# Altium PCB Science_Board_PCB.PcbDoc (part 1 of 2) (continued)
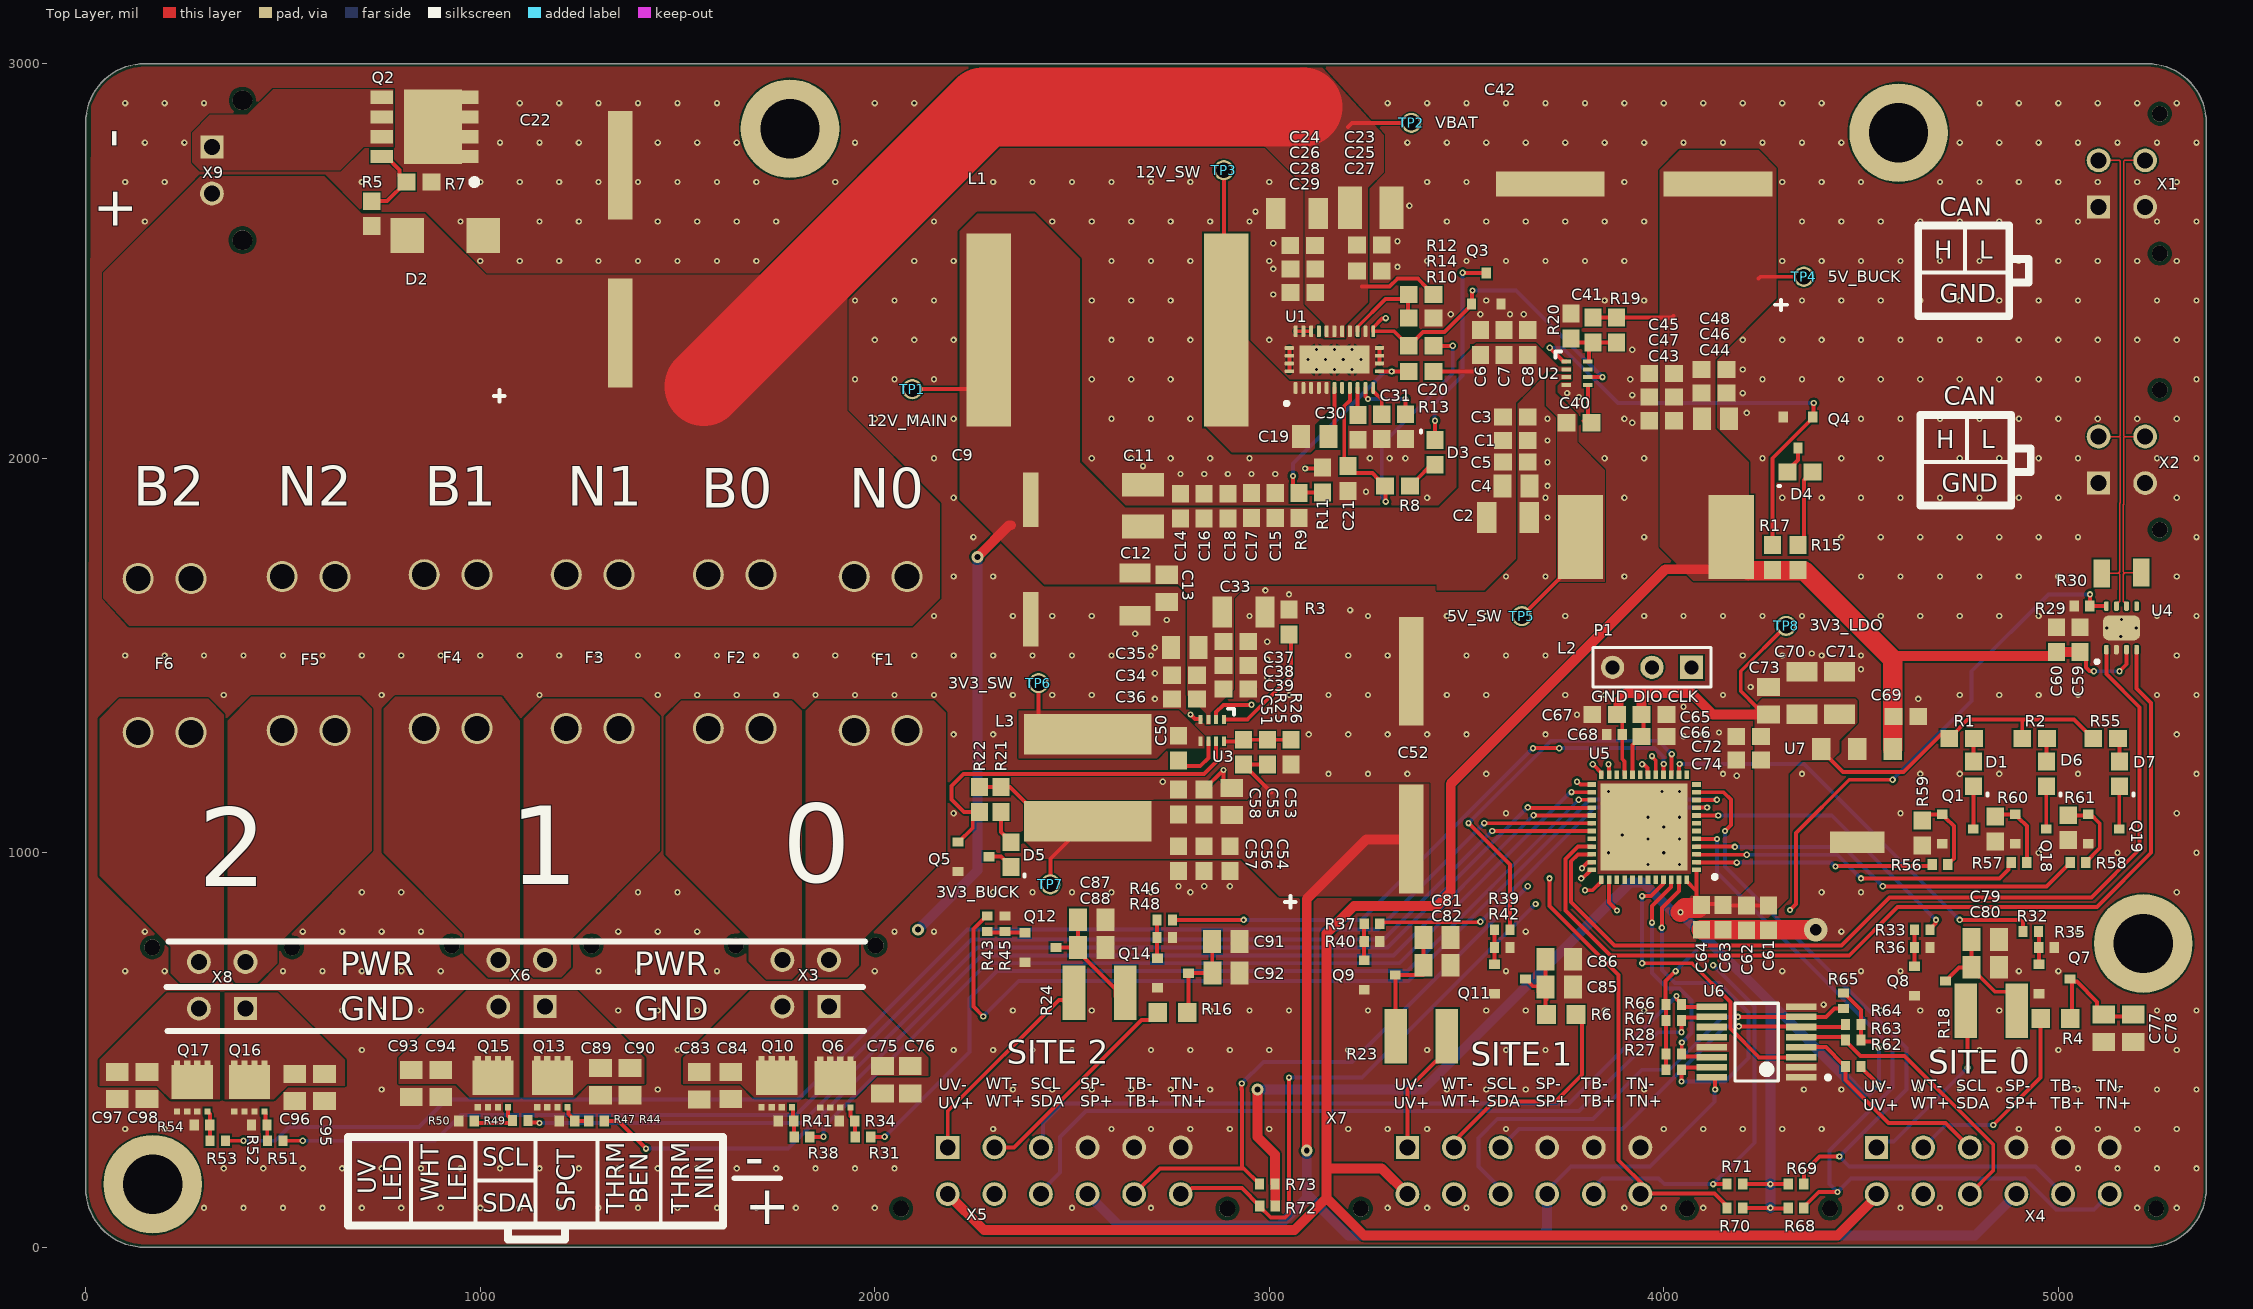
[diagram p0: Top Layer view]
## Components (designator, comment, footprint, x,y, rotation, side; value= is the part's Value field where it differs from the comment)
C1 "C1608C0G2A103J080AC" CAP-0603 3623.5,2045 r0 top
C2 "CL31B106KBHNNNE" CAP-1206 3605,1850 r0 top
C3 "UMK107AB7105KA-T" CAP-0603 3623.5,2105 r0 top
C4 "KAM21KR72A474KL" CAP-0805 3625.35,1930 r180 top
C5 "C1608C0G2A103J080AC" CAP-0603 3623.5,1990 r0 top
C6 "CC0603KRX7R0BB104" CAP-0603 3535,2293.5 r90 top
C7 "C0603Y102K1RAC7867" CAP-0603 3595,2293.5 r90 top
C8 "0603N101J101CT" CAP-0603 3655,2293.5 r270 top
C9 "50TZV220M10X10.5" ELEC-220U-0003 2395,1743.43 r180 top
C11 "C3225X7R1N106K250AC" CAP-1210 2680,1880 r90 top
C12 "CL31B105KCHNNNE" "CAP-1206 - duplicate" 2660,1660 r270 top
C13 "KAM21KR72A474KL" CAP-0805 2740,1670 r270 top
C14 "CC0603KRX7R0BB104" CAP-0603 2775,1878.5 r90 top
C15 "C1608C0G2A103J080AC" CAP-0603 3015,1880 r90 top
C16 "C0603Y102K1RAC7867" CAP-0603 2835,1878.5 r90 top
C17 "0603N101J101CT" CAP-0603 2955,1880 r90 top
C18 "0603N100J500CT" CAP-0603 2895,1878.5 r90 top
C19 "KAM21KR72A474KL" CAP-0805 3115,2055 r0 top
C20 "885012006087" CAP-0603 3385,2220 r180 top
C21 "UMK107BBJ225KA-T" CAP-0603 3200,1948.5 r270 top
C22 "100SEV100M12.5X16" ELEC-100U-0001 1355,2530 r180 top
C23 "C3225X7R1N106K250AC" CAP-1210 3257.2,2635 r0 top
C24 "CL31B105KCHNNNE" "CAP-1206 - duplicate" 3075,2620 r180 top
C25 "CC0603KRX7R0BB104" CAP-0603 3253.5,2540 r0 top
C26 "C1608C0G2A103J080AC" CAP-0603 3084.65,2539.39 r180 top
C27 "C0603Y102K1RAC7867" CAP-0603 3253.5,2475 r0 top
C28 "0603N101J101CT" CAP-0603 3085,2480 r180 top
C29 "0603N100J500CT" CAP-0603 3085,2420 r180 top
C30 "UMK107AB7105KA-T" CAP-0603 3225,2078.5 r270 top
C31 "CC0603KRX7R9BB333" CAP-0603 3285,2080 r270 top
C33 "CL31B106KBHNNNE" CAP-1206 2935,1610 r0 top
C34 "UMK107AB7105KA-T" CAP-0603 2785,1450 r180 top
C35 "KAM21KR72A474KL" CAP-0805 2785.35,1520 r180 top
C36 "C1608C0G2A103J080AC" CAP-0603 2785,1390 r180 top
C37 "CC0603KRX7R0BB104" CAP-0603 2915,1535 r0 top
C38 "C0603Y102K1RAC7867" CAP-0603 2915,1475 r0 top
C39 "0603N101J101CT" CAP-0603 2915,1415 r0 top
C40 "CC0603KRX7R0BB104" CAP-0603 3785,2090 r180 top
C41 "7447798111" CAP-0603 3820,2325 r270 top
C42 "100SEV100M12.5X16" ELEC-100U-0001 3925,2695 r270 top
C43 "7447798111" CAP-0603 3994.45,2095 r180 top
C44 "KAM21KR72A474KL" CAP-0805 4130.94,2100 r0 top
C45 "C0603Y102K1RAC7867" CAP-0603 3994.45,2215 r180 top
C46 "C1608C0G2A103J080AC" CAP-0603 4127.44,2165 r0 top
C47 "CC0603KRX7R0BB104" CAP-0603 3994.45,2155 r180 top
C48 "0603N101J101CT" CAP-0603 4127.44,2225 r0 top
C50 "CC0603KRX7R0BB104" CAP-0603 2770,1265 r90 top
C51 "7447798111" CAP-0603 2935,1255 r90 top
C52 "100SEV100M12.5X16" ELEC-100U-0001 3360,1247.6 r180 top
C53 "KAM21KR72A474KL" CAP-0805 2905,1130 r90 top
C54 "C0603Y102K1RAC7867" CAP-0603 2900,985 r270 top
C55 "C1608C0G2A103J080AC" CAP-0603 2835,1128.5 r90 top
C56 "CC0603KRX7R0BB104" CAP-0603 2835,985 r270 top
C57 "0603N101J101CT" CAP-0603 2770,985 r270 top
C58 "7447798111" CAP-0603 2770,1128.5 r90 top
C59 "TMK107BBJ475KA-T" CAP-0603 5055,1540 r90 top
C60 "CC0603KRX7R0BB104" CAP-0603 4995,1540 r90 top
C61 "TMK107BBJ475KA-T" CAP-0603 4265,835 r270 top
C62 "CC0603KRX7R0BB104" CAP-0603 4210,835 r270 top
C63 "CC0603KRX7R0BB104" CAP-0603 4150,836.5 r270 top
C64 "CC0603KRX7R0BB104" CAP-0603 4095,836.5 r270 top
C65 "UMK107AB7105KA-T" CAP-0603 3975,1350 r0 top
C66 "CC0603KRX7R0BB104" CAP-0603 3975,1295 r0 top
C67 "UMK107AB7105KA-T" CAP-0603 3850,1350 r180 top
C68 "CC0402KRX7R0BB103" CAP-0402 3875,1300 r180 top
C69 "CGA3E3X7R1H334K080AB" CAP-0603 4613.5,1345 r0 top
C70 "CL31B106KBHNNNE" CAP-1206 4350,1405 r90 top
C71 "CL31B106KBHNNNE" CAP-1206 4445,1405 r90 top
C72 "UMK107AB7105KA-T" CAP-0603 4215,1295 r180 top
C73 "KAM21KR72A474KL" CAP-0805 4265,1385.35 r270 top
C74 "CC0603KRX7R0BB104" CAP-0603 4215,1235 r180 top
C75 "CL21A106KOQNNNE" CAP-0805 2020,424.65 r270 top
C76 "CL21A106KOQNNNE" CAP-0805 2090,425 r270 top
C77 "CL21A106KOQNNNE" CAP-0805 5115,555 r270 top
C78 "CL21A106KOQNNNE" CAP-0805 5190,555 r270 top
C79 "CL21A106KOQNNNE" CAP-0805 4815,780 r0 top
C80 "CL21A106KOQNNNE" CAP-0805 4815,710 r0 top
C81 "CL21A106KOQNNNE" CAP-0805 3425,785 r0 top
C82 "CL21A106KOQNNNE" CAP-0805 3425,715 r0 top
C83 "CL21A106KOQNNNE" CAP-0805 1555,409.65 r270 top
C84 "CL21A106KOQNNNE" CAP-0805 1635,410 r270 top
C85 "CL21A106KOQNNNE" CAP-0805 3735,660 r0 top
C86 "CL21A106KOQNNNE" CAP-0805 3735,730 r0 top
C87 "CL21A106KOQNNNE" CAP-0805 2550,830 r0 top
C88 "CL21A106KOQNNNE" CAP-0805 2550,760 r0 top
C89 "CL21A106KOQNNNE" CAP-0805 1305,420 r270 top
C90 "CL21A106KOQNNNE" CAP-0805 1380,420 r270 top
C91 "CL21A106KOQNNNE" CAP-0805 2890,775 r0 top
C92 "CL21A106KOQNNNE" CAP-0805 2890.35,695 r0 top
C93 "CL21A106KOQNNNE" CAP-0805 825,415 r270 top
C94 "CL21A106KOQNNNE" CAP-0805 900,415 r270 top
C95 "CL21A106KOQNNNE" CAP-0805 605,405 r270 top
C96 "CL21A106KOQNNNE" CAP-0805 530,405 r270 top
C97 "CL21A106KOQNNNE" CAP-0805 80,410 r270 top
C98 "CL21A106KOQNNNE" CAP-0805 155,410 r270 top
D1 "150060AS75000" LED-0603 4785,1200 r270 top
D2 "SMBJE43CAH" "DO-214AA (SMBJ)" 910.12,2565 r0 top
D3 "150060AS75000" LED-0603 3420,2015 r90 top
D4 "150060AS75000" LED-0603 4345,1965 r180 top
D5 "150060AS75000" LED-0603 2345,995 r270 top
D6 "150060AS75000" LED-0603 4970,1200 r270 top
D7 "150060AS75000" LED-0603 5155,1200 r270 top
F1 "3568" FUSE-ATM-0001 2015,1505 r270 top
F2 "3568" FUSE-ATM-0001 1645,1510 r270 top
F3 "3568" FUSE-ATM-0001 1285,1510 r270 top
F4 "3568" FUSE-ATM-0001 925,1510 r270 top
F5 "3568" FUSE-ATM-0001 565,1505 r270 top
F6 "3568" FUSE-ATM-0001 200,1500 r270 top
L1 "IHLP6767GZER8R2M01" PWRIND-8.2U-0002 2590,2325 r180 top
L2 "SRR1240-3R3Y" PWRIND-3.3U-0003 3980,1800 r0 top
L3 "SRN8040-1R0Y" PWRIND-6.8U-0001 2540,1190 r270 top
P1 "Header 3" HDR1X3 4070,1470 r180 top
Q1 "T2N7002AK,LM" NMOS-SOT23-3 4745,1060 r270 top
Q2 "TPH7R006PL,L1Q" NMOS-8PowerVDFN 970,2765 r90 top
Q3 "T2N7002AK,LM" NMOS-SOT23-3 3550,2430 r0 top
Q4 "T2N7002AK,LM" NMOS-SOT23-3 4340,2065 r180 top
Q5 "T2N7002AK,LM" NMOS-SOT23-3 2250,990 r270 top
Q6 "TPN11006PL,LQ" NMOS-8TSON 1900,415 r0 top
Q7 "YJL3404A" NMOS-SOT23-3 4990,680 r270 top
Q8 "YJL3404A" NMOS-SOT23-3 4675,675 r270 top
Q9 "YJL3404A" NMOS-SOT23-3 3280,690 r270 top
Q10 "TPN11006PL,LQ" NMOS-8TSON 1751.61,416.02 r0 top
Q11 "YJL3404A" NMOS-SOT23-3 3610,680 r270 top
Q12 "YJL3404A" NMOS-SOT23-3 2420,760 r270 top
Q13 "TPN11006PL,LQ" NMOS-8TSON 1182.8,416.02 r0 top
Q14 "YJL3404A" NMOS-SOT23-3 2755.63,695 r270 top
Q15 "TPN11006PL,LQ" NMOS-8TSON 1032.2,416.02 r0 top
Q16 "TPN11006PL,LQ" NMOS-8TSON 415,405 r0 top
Q17 "TPN11006PL,LQ" NMOS-8TSON 270,405 r0 top
Q18 "T2N7002AK,LM" NMOS-SOT23-3 4930,1060 r270 top
Q19 "T2N7002AK,LM" NMOS-SOT23-3 5115,1060 r270 top
R1 "AC0603FR-10100RL" RES-0603 4755,1290 r0 top
R2 "AC0603FR-10100RL" RES-0603 4940,1290 r0 top
R3 "RC0603FR-079K09L" RES-0603 3050,1585 r90 top
R4 "ERJ-P06J121V" RES-0805 4992.4,580 r180 top
R5 "ERJ-3EKF2003V" RES-0603 725,2620 r90 top
R6 "ERJ-P06J121V" RES-0805 3740,590 r0 top
R7 "RC0603FR-07100KL" RES-0603 845,2700 r180 top
R8 "AC0603FR-10100RL" RES-0603 3325,1930 r0 top
R9 "RC0603FR-07100KL" RES-0603 3075,1880 r90 top
R10 "RC0603FR-0710KP" RES-0603 3385,2285 r0 top
R11 "RC0603FR-079K09L" RES-0603 3135,1945 r90 top
R12 "RC0603FR-072M15L" RES-0603 3385,2415 r0 top
R13 "RC0603FR-0776K8L" RES-0603 3345,2080 r90 top
R14 "RC0603FR-07100KL" RES-0603 3385,2355 r0 top
R15 "CRGCQ0603J220R" RES-0603 4340,1748.5 r90 top
R16 "ERJ-P06J121V" RES-0805 2755,595 r180 top
R17 "RC0603FR-0710KP" RES-0603 4275,1748.5 r270 top
R18 "CRCW25123R30FKEG" RES-2512 4830,600 r180 top
R19 "RC0603FR-0773K2L" RES-0603 3880,2325 r270 top
R20 "RC0603FR-0710KP" RES-0603 3765,2335 r90 top
R21 "AC0603FR-10100RL" RES-0603 2320,1135 r90 top
R22 "AF0603FR-074K7L" RES-0603 2265,1135 r90 top
R23 "CRCW25123R30FKEG" RES-2512 3385,535 r0 top
R24 "CRCW25123R30FKEG" RES-2512 2569.96,645 r180 top
R25 "RC0603FR-0730K9L" RES-0603 2995,1255 r90 top
R26 "RC0603FR-0710KP" RES-0603 3055,1255 r270 top
R27 "RC0402FR-074K7P" RES-0402 4025.32,450 r180 top
R28 "RC0402FR-074K7P" RES-0402 4025.32,490 r180 top
R29 "RC0402FR-074K7P" RES-0402 5059.69,1625 r0 top
R30 "CRGH1206F120R" RES-1206 5160,1710 r180 top
R31 "ERJ2RKF33R0X" RES-0402 1970,280 r180 top
R32 "ERJ2RKF33R0X" RES-0402 4930,800 r0 top
R33 "ERJ2RKF33R0X" RES-0402 4655,805 r180 top
R34 "ERJ2GEJ103X" RES-0402 1930,320 r180 top
R35 "ERJ2GEJ103X" RES-0402 4970,760 r0 top
R36 "ERJ2GEJ103X" RES-0402 4655,760 r0 top
R37 "ERJ2RKF33R0X" RES-0402 3260,820 r180 top
R38 "ERJ2RKF33R0X" RES-0402 1815.32,280 r180 top
R39 "ERJ2RKF33R0X" RES-0402 3590.32,805 r180 top
R40 "ERJ2GEJ103X" RES-0402 3260,775 r0 top
R41 "ERJ2GEJ103X" RES-0402 1775,320 r180 top
R42 "ERJ2GEJ103X" RES-0402 3590.32,760 r0 top
R43 "ERJ2RKF33R0X" RES-0402 2285,820 r270 top
R44 "ERJ2RKF33R0X" RES-0402 1295,320 r180 top
R45 "ERJ2GEJ103X" RES-0402 2330,820 r90 top
R46 "ERJ2RKF33R0X" RES-0402 2735,830 r180 top
R47 "ERJ2GEJ103X" RES-0402 1220,320 r180 top
R48 "ERJ2GEJ103X" RES-0402 2735,785 r0 top
R49 "ERJ2RKF33R0X" RES-0402 1101.57,321.57 r180 top
R50 "ERJ2GEJ103X" RES-0402 965,320 r180 top
R51 "ERJ2RKF33R0X" RES-0402 480.31,270 r180 top
R52 "ERJ2GEJ103X" RES-0402 440,310 r180 top
R53 "ERJ2RKF33R0X" RES-0402 334.69,270 r180 top
R54 "ERJ2GEJ103X" RES-0402 295,310 r180 top
R55 "AC0603FR-10100RL" RES-0603 5120,1290 r0 top
R56 "ERJ2RKF33R0X" RES-0402 4700,970 r0 top
R57 "ERJ2RKF33R0X" RES-0402 4900,975 r0 top
R58 "ERJ2RKF33R0X" RES-0402 5050,975 r0 top
R59 "RC0603FR-0710KP" RES-0603 4655,1050 r270 top
R60 "RC0603FR-0710KP" RES-0603 4840,1060 r270 top
R61 "RC0603FR-0710KP" RES-0603 5025,1063.5 r270 top
R62 "RC0402FR-074K7P" RES-0402 4480.31,458.03 r0 top
R63 "RC0402FR-074K7P" RES-0402 4480,525 r0 top
R64 "RC0402FR-074K7P" RES-0402 4480,565 r0 top
R65 "RC0402FR-074K7P" RES-0402 4455,625 r90 top
R66 "RC0402FR-074K7P" RES-0402 4025,615 r180 top
R67 "RC0402FR-074K7P" RES-0402 4025,575 r180 top
R68 "ERJ2GEJ103X" RES-0402 4335,100 r180 top
R69 "ERJ2GEJ103X" RES-0402 4334.69,160 r180 top
R70 "ERJ2GEJ103X" RES-0402 4180,100 r0 top
R71 "ERJ2GEJ103X" RES-0402 4180,160 r0 top
R72 "ERJ2GEJ103X" RES-0402 2995.32,105 r0 top
R73 "ERJ2GEJ103X" RES-0402 2995,160 r0 top
TP1 "5003" TEST-POINT-0001 2095,2175 r0 top
TP2 "5003" TEST-POINT-0001 3360,2850 r270 top
TP3 "5003" TEST-POINT-0001 2885,2730 r270 top
TP4 "5003" TEST-POINT-0001 4355,2460 r0 top
TP5 "5003" TEST-POINT-0001 3640,1600 r0 top
TP6 "5003" TEST-POINT-0001 2415,1430 r0 top
TP7 "5003" TEST-POINT-0001 2445,920 r0 top
TP8 "5003" TEST-POINT-0001 4310,1575 r0 top
U1 "LM76005RNPR" IC-30-WQFN(6x4) 3165,2250 r90 top
U2 "TPS563212DRLR" IC-SOT583 3780,2215 r270 top
U3 "TPS62933ODRLR" IC-SOT583 2855,1310 r180 top
U4 "TCAN1042HGDRBTQ1" IC-8-VSON 5160,1570 r90 top
U5 "STM32G431CBU6" MCU-UFQFPN48 3950,1064.8 r180 top
U6 "TCA9546APWR" PW0016A-IPC_A 4235,520 r180 top
U7 "UA78M33CDCYR" IC-SOT-223-4 4490,1145 r270 top
X1 "Molex 43045-0412" 43045-0412 5101.89,2695.94 r270 top
X2 "Molex 43045-0412" 43045-0412 5101.89,1995.94 r270 top
X3 "Molex 43045-0412" 43045-0412 1825,610 r0 top
X4 "Molex - Micro-Fit 3.0 Series connector,  3.00mm (0.118\") pitch header, 12 positions." 43045-1212 4834.72,253.03 r180 top
X5 "Molex - Micro-Fit 3.0 Series connector,  3.00mm (0.118\") pitch header, 12 positions." 43045-1212 2480.28,253.03 r180 top
X6 "Molex 43045-0412" 43045-0412 1105,610 r0 top
X7 "Molex - Micro-Fit 3.0 Series connector,  3.00mm (0.118\") pitch header, 12 positions." 43045-1212 3645.28,253.03 r180 top
X8 "Molex 43045-0412" 43045-0412 345.94,605 r0 top
X9 "Molex 43650-0215" 43650-0215 320,2730 r90 top

## Footprints (in the part's own frame and the unit in brackets; to place one, negate y for a bottom-side part, rotate by r counter-clockwise, add the part's x,y. Pads: shape width x height; smd on the part's side, far side on the other; paste and mask are expansions set on the pad)
43045-0412 [mm]
  round 1.02 hole 1.02 unplated: 1(-4.5,3.94) 1(4.5,3.94)
  rect 1.482x1.482 / inner rect 1.524x1.524 / far side rect 1.482x1.482 hole 1.02: P$1(1.5,0)
  round 1.53 / inner round 1.524 / far side round 1.53 hole 1.02: P$2(-1.5,0) P$3(1.5,3) P$4(-1.5,3)
  body extent -5.07,-2.45 5.08,6.32, height 10.03
43045-1212 [mm]
  round 1.02 hole 1.02 unplated: 1(-10.5,3.94) 1(10.5,3.94)
  rect 1.482x1.482 / inner rect 1.524x1.524 / far side rect 1.482x1.482 hole 1.02: P$1(7.5,0)
  round 1.53 / inner round 1.524 / far side round 1.53 hole 1.02: P$2(4.5,0) P$3(1.5,0) P$4(-1.5,0) P$5(-4.5,0) P$6(-7.5,0) P$7(7.5,3) P$8(4.5,3) P$9(1.5,3) P$10(-1.5,3) P$11(-4.5,3) P$12(-7.5,3)
43650-0215 [mil]
  round 50 hole 50 unplated: 1(-177.17,-77.17) 1(177.17,-77.17)
  rect 58.33x58.33 / inner rect 60x60 / far side rect 58.33x58.33 hole 40.16: P$1(59.06,0)
  round 60.24 / inner round 60 / far side round 60.24 hole 40.16: P$2(-59.06,0)
  body extent -190,-97 190,123, height 395
CAP-0402 [mm]
  rect 0.6x0.7 smd: 1(-0.5,0) 2(0.5,0)
  body extent -0.5,-0.22 0.5,0.23, height 0.5
CAP-0603 [mm]
  rect 1.15x1.1 smd: 1(-0.8,0) 2(0.8,0)
  body extent -0.8,-0.45 0.8,0.45, height 0.8
CAP-0805 [mm]
  rect 1.16x1.47 smd: 1(-0.88,0) 2(0.88,0)
  body extent -1,-0.63 1,0.63, height 0.94
CAP-1206 [mm]
  rect 1.25x2 smd: 1(-1.375,0) 2(1.375,0)
  body extent -1.6,-0.8 1.6,0.8, height 1.5
"CAP-1206 - duplicate" [mm]
  rect 1.25x2 smd: 1(-1.248,0) 2(1.502,0)
  body extent -1.47,-0.8 1.73,0.8, height 1.5
CAP-1210 [mm]
  rect 1.53x2.72 smd: 1(-1.341,0) 2(1.341,0)
  body extent -1.6,-1.25 1.6,1.25, height 2.7
"DO-214AA (SMBJ)" [mm]
  rect 2.16x2.26 smd: 1(-2.416,0) 2(2.484,0)
  body extent -2.72,-1.95 2.78,1.95, height 2.45
ELEC-100U-0001 [mm]
  rect 1.6x7 smd: 1(0,5.4) 2(0,-5.4)
  silkscreen extent 7.45,9.08 8.13,9.82, body extent -6.6,-7.15 6.6,7.15, height 16.56
ELEC-220U-0003 [mm]
  rect 1x3.5 smd: 1(0,-3.85) 2(0,3.85)
  body extent -5.25,-5.45 5.25,5.45, height 10.54
FUSE-ATM-0001 [mm]
  round 2 hole 1.6: 1(-4.95,-1.7) 1(-4.95,1.7) 2(4.95,-1.7) 2(4.95,1.7)
  body extent -8,-3.37 8,3.37, height 7.37
HDR1X3 [mm] "Connector; Header; 3 Position"
  rect 1.5x1.5 hole 0.9: 1(0,0)
  round 1.5 hole 0.9: 2(2.54,0) 3(5.08,0)
  silkscreen extent -1.27,-1.27 6.35,1.27
IC-8-VSON [mm]
  rrect50% 0.6x0.3 smd mask+0.07: 1(-1.4,0.975) 2(-1.4,0.325) 3(-1.4,-0.325) 4(-1.4,-0.975) 5(1.4,-0.975) 6(1.4,-0.325) 7(1.4,0.325) 8(1.4,0.975)
  rrect50% 1.6x2.4 smd: 9(0,0)
  silkscreen extent -2.27,1.48 -2.08,1.66, body extent -1.5,-1.5 1.5,1.5, height 1
IC-30-WQFN(6x4) [mm] "30 pin WQFN with exposed pad"
  rrect50% 0.75x0.25 smd mask+0.07: 1(-1.825,2.5) 2(-1.825,2) 3(-1.825,1.5) 4(-1.825,1) 5(-1.825,0.5) 6(-1.825,0) 7(-1.825,-0.5) 8(-1.825,-1) 9(-1.825,-1.5) 10(-1.825,-2) 11(-1.825,-2.5) 16(1.825,-2.5) 17(1.825,-2) 18(1.825,-1.5) 19(1.825,-1) 20(1.825,-0.5) 21(1.825,0) 22(1.825,0.5) 23(1.825,1) 24(1.825,1.5) 25(1.825,2) 26(1.825,2.5)
  rrect50% 0.25x0.6 smd mask+0.07: 12(-0.75,-2.9) 13(-0.25,-2.9) 14(0.25,-2.9) 15(0.75,-2.9) 27(0.75,2.9) 28(0.25,2.9) 29(-0.25,2.9) 30(-0.75,2.9)
  rect 1.8x4.5 smd: 31(0,0)
  silkscreen extent -2.94,2.96 -2.71,3.19, body extent -2,-3 2,3, height 0.8
IC-SOT583 [mm]
  rect 0.25x0.6 smd: 1(-0.762,-0.7) 2(-0.262,-0.7) 3(0.238,-0.7) 4(0.738,-0.7) 5(0.738,0.7) 6(0.238,0.7) 7(-0.262,0.7) 8(-0.762,0.7)
  silkscreen extent -1.4,-1.4 -1.02,-1.02, body extent -1.11,-0.85 1.11,0.85, height 0.56
IC-SOT-223-4 [mm]
  rect 1.4x1.2 smd mask+0.07: 1(-3,2.3) 2(-3,0) 3(-3,-2.3)
  rect 1.4x3.5 smd: 2(3,0)
  body extent -3.5,-3.25 3.5,3.25, height 1.68
LED-0603 [mm]
  rect 1.15x1.1 smd: 1(-0.8,0) 2(0.8,0)
  silkscreen extent 1.27,0.89 1.4,0.89, body extent -0.8,-0.3 0.8,0.3, height 1
MCU-UFQFPN48 [mm] "STM32G431CBU6"
  rect 0.55x0.3 smd mask+0.07: 1(-3.375,2.75) 2(-3.375,2.25) 3(-3.375,1.75) 4(-3.375,1.25) 5(-3.375,0.75) 6(-3.375,0.25) 7(-3.375,-0.25) 8(-3.375,-0.75) 9(-3.375,-1.25) 10(-3.375,-1.75) 11(-3.375,-2.25) 12(-3.375,-2.75) 25(3.375,-2.75) 26(3.375,-2.25) 27(3.375,-1.75) 28(3.375,-1.25) 29(3.375,-0.75) 30(3.375,-0.25) 31(3.375,0.25) 32(3.375,0.75) 33(3.375,1.25) 34(3.375,1.75) 35(3.375,2.25) 36(3.375,2.75)
  rect 0.3x0.55 smd mask+0.07: 13(-2.75,-3.375) 14(-2.25,-3.375) 15(-1.75,-3.375) 16(-1.25,-3.375) 17(-0.75,-3.375) 18(-0.25,-3.375) 19(0.25,-3.375) 20(0.75,-3.375) 21(1.25,-3.375) 22(1.75,-3.375) 23(2.25,-3.375) 24(2.75,-3.375) 37(2.75,3.375) 38(2.25,3.375) 39(1.75,3.375) 40(1.25,3.375) 41(0.75,3.375) 42(0.25,3.375) 43(-0.25,3.375) 44(-0.75,3.375) 45(-1.25,3.375) 46(-1.75,3.375) 47(-2.25,3.375) 48(-2.75,3.375)
  rect 5.6x5.6 smd: 49(0,0)
  silkscreen extent -4.68,3.08 -4.43,3.32, body extent -3.56,-3.56 3.56,3.56, height 0.61
NMOS-8PowerVDFN [mm]
  rect 0.85x1.45 smd: 1(0,5.588) 2(1.27,5.588) 2(2.54,5.588) 2(3.81,5.588)
  rect 0.85x1.05 smd: 3(0,-0.112) 3(1.27,-0.112) 3(2.54,-0.112) 3(3.81,-0.112)
  rect 4.8x3.75 smd: 3(1.905,2.286)
  silkscreen extent -1.91,-0.64 -1.4,-0.13
NMOS-8TSON [mm]
  rect 0.4x0.4 smd: 1(0.975,-1.55) 2(-0.975,-1.55) 2(-0.325,-1.55) 2(0.325,-1.55)
  rect 0.4x0.3 smd: 3(-0.975,1.6) 3(-0.325,1.6) 3(0.325,1.6) 3(0.975,1.6)
  rect 2.65x2.2 smd: 3(0,0.35)
  body extent -1.65,-1.65 1.65,1.65, height 0.85
NMOS-SOT23-3 [mm]
  rect 0.6x0.7 smd: 1(-0.95,-1) 2(0.95,-1) 3(0,1)
  body extent -1.46,-1.18 1.46,1.19, height 1.12
PW0016A-IPC_A [mm]
  rect 1.955x0.421 smd paste+0 mask+0: 1(-2.875,2.275) 2(-2.875,1.625) 3(-2.875,0.975) 4(-2.875,0.325) 5(-2.875,-0.325) 6(-2.875,-0.975) 7(-2.875,-1.625) 8(-2.875,-2.275) 9(2.875,-2.275) 10(2.875,-1.625) 11(2.875,-0.975) 12(2.875,-0.325) 13(2.875,0.325) 14(2.875,0.975) 15(2.875,1.625) 16(2.875,2.275)
  silkscreen extent -4.73,-2.5 1.4,2.5
PWRIND-3.3U-0003 [mm]
  rect 2.9x5.4 smd: 1(-4.85,0) 2(4.85,0)
  body extent -6.4,-6.4 6.4,6.4, height 4.5
PWRIND-6.8U-0001 [mm]
  rect 2.6x8.2 smd: 1(-2.8,0) 2(2.8,0)
  body extent -4,-4 4,4, height 4
PWRIND-8.2U-0002 [mm]
  rect 2.875x12.45 smd: 1(-7.642,0) 2(7.642,0)
  body extent -8.7,-8.71 8.47,8.46, height 6.89
RES-0402 [mm]
  rect 0.6x0.7 smd: 1(-0.5,0) 2(0.5,0)
  body extent -0.5,-0.25 0.5,0.25, height 0.3
RES-0603 [mm]
  rect 1.15x1.1 smd: 1(-0.8,0) 2(0.8,0)
  body extent -0.8,-0.4 0.8,0.4, height 0.43
RES-0805 [mm]
  rect 1.2x1.2 smd: 1(-0.95,0) 2(0.95,0)
  body extent -1,-0.6 1,0.6, height 0.71
RES-1206 [mm]
  rect 1.05x1.8 smd: 1(-1.275,0) 2(1.275,0.043)
  body extent -1.6,-0.77 1.6,0.82, height 0.55
RES-2512 [mm]
  rect 1.45x3.5 smd: 1(-1.65,0) 2(1.65,0)
TEST-POINT-0001 [mm] "2024 miniature test point"
  round 1.3 hole 1: 1(0,0)
  body extent -1.27,-1.27 1.27,1.27, height 4.57

## Part data
C1 C5 C15 C26 C36 C46 C55: library part CAP-10N-0002, "CAP CER 10000PF 100V C0G 0603", Capacitance="10nF +/-5%", Manufacturer="TDK Corporation", Package Size=0603, Temperature Coefficient=C0G/NP0, Voltage Rating=100V, Assembled?=no, Manufacturer Part Number=C1608C0G2A103J080AC
C2 C33 C70 C71: library part CAP-10U-0001, "10 µF ±10% 50V Ceramic Capacitor X7R 1206 (3216 Metric)", Capacitance="10uF +/-20%", Manufacturer="Samsung Electro-Mechanics", Package Size=1206, Temperature Coefficient=X7R, Voltage Rating=50V, Assembled?=no, Manufacturer Part Number=CL31B106KBHNNNE
C3 C30 C34 C65 C67 C72: library part CAP-1U-0002, "1 µF ±10% 50V Ceramic Capacitor X7R 0603 (1608 Metric)", Capacitance="1 uF", Package Size=0603, Voltage=50V
C4 C13 C19 C35 C44 C53 C73: library part CAP-0.47U-0001, "0.47 µF ±10% 100V Ceramic Capacitor X7R 0805 (2012 Metric)", Capacitance="0.47 uF", Package Size=0805, Temperature Coefficient=X7R, Tolerance="+/- 10%", Voltage=100V, Assembled?=No
C6 C14 C25 C37 C40 C47 C50 C56 C60 C62 C63 C64 C66 C74: library part CAP-100N-0001, "CAP CER 0.1UF 100V X7R 0603", Capacitance="100nF +/-10%", Manufacturer=YAGEO, Package Size=0603, Temperature Coefficient=X7R, Voltage Rating=100V, Assembled?=no, Manufacturer Part Number=CC0603KRX7R0BB104
C7 C16 C27 C38 C45 C54: library part CAP-1N-0001, "1000 pF ±10% 100V Ceramic Capacitor X7R 0603 (1608 Metric)", Capacitance="1 nF +/-10%", Voltage=100V
C8 C17 C28 C39 C48 C57: library part CAP-100P-0002, "100 pF ±5% 100V Ceramic Capacitor C0G, NP0 0603 (1608 Metric)", Capacitance="100 pF", Package Size=0603, Temp Coeff=C0G/NP0, Tolerance=+/-5%, Voltage=100V
C9: library part ELEC-220U-0003, "220 µF 50 V Aluminum Electrolytic Capacitors Radial, Can - SMD 2000 Hrs @ 105°C", Capacitance="220 uF +/- 20%", Voltage Rating=50V, Size=.406inx.406in*.413in
C11 C23: library part CAP-10U-0004, "10 µF ±10% 75V Ceramic Capacitor X7R 1210 (3225 Metric)", Capacitance="10 uF +/- 10%", Voltage Rating=75V
C12 C24: library part CAP-1U-0001, "1 µF ±10% 100V Ceramic Capacitor X7R 1206 (3216 Metric)", Capacitance="1 uF +/- 10%", Voltage=100V
C18 C29: library part CAP-10P-0001, "10 pF ±5% 50V Ceramic Capacitor C0G, NP0 0603 (1608 Metric)", Capacitance="10 pF +/- 5%", Manufacturer="Walshin Technology Corporation", Package Size=0603, Temperature Coefficient="C0G, NP0", Voltage Rating=50V, Assembled?=Yes, Manufacturer Part Number=0603N100J500CT
C20: library part CAP-1P-0001, "1 pF ±0.25pF 100V Ceramic Capacitor C0G, NP0 0603 (1608 Metric)", Capacitance="1 pF", Package Size=0603, Temperature Coefficient=C0G/NP0, Tolerance="+/- 0.25 pF", Voltage=100V, Assembled?=No
C21: library part CAP-2.2U-0001, "2.2 µF ±10% 50V Ceramic Capacitor X5R 0603 (1608 Metric)", Capacitance="2.2 uF", oltage=50V
C22 C42 C52: library part ELEC-100U-0001, "100 µF 100 V Aluminum Electrolytic Capacitors Radial, Can - SMD 2000 Hrs @ 85°C", Capacitance="100 uF", Manufacturer=Rubycon, Tolerance="+/- 20%", Voltage="100 V", Assembled?=No, ESR="idk check the datasheet i couldnt find it"
C31: library part CAP-33N-0001, "0.033 µF ±10% 50V Ceramic Capacitor X7R 0603 (1608 Metric)", Capacitance="33nF +/-10%", Manufacturer=YAGEO, Package Size=0603, Temperature Coefficient=X7R, Voltage Rating=50V, Assembled?=no, Manufacturer Part Number=CC0603KRX7R9BB333
C41 C43 C51 C58: library part CAP-47P-0001, "47 pF ±5% 100V Ceramic Capacitor C0G, NP0 0603 (1608 Metric)", Capacitance="47 pF +/- 5%", Voltage Rating=100V
C59 C61: library part CAP-4.7U-0001, "4.7 µF ±10% 25V Ceramic Capacitor X5R 0603 (1608 Metric)", Capacitance="4.7uF +/-10%", Manufacturer="Taiyo Yuden", Package Size=0603, Temperature Coefficient=X5R, Voltage Rating=25V, Assembled?=no, Manufacturer Part Number=TMK107BBJ475KA-T
C68: library part CAP-10N-0001, "10000 pF ±10% 100V Ceramic Capacitor X7R 0402 (1005 Metric)", Capacitance="10nF +/-10%", Manufacturer=YAGEO, Package Size=0402, Temperature Coefficient=X7R, Voltage Rating=100V, Assembled?=no, Manufacturer Part Number=CC0402KRX7R0BB103
C69: library part CAP-0.33uF-0001, "0.33 µF ±10% 50V Ceramic Capacitor X7R 0603 (1608 Metric)", Capacitance="0.33 uF", Manufacturer="TDK Corporation", Temperature Coefficient=X7R, Tolerance="+/- 10%", Voltage=50V, Manufacturer Part Number=CGA3E3X7R1H334K080AB
C75 C76 C77 C78 C79 C80 C81 C82 C83 C84 C85 C86 C87 C88 C89 C90 C91 C92 C93 C94 C95 C96 C97 C98: library part CAP-10U-0002, "10 µF ±10% 16V Ceramic Capacitor X7R 0805 (2012 Metric)", Capacitance="10 uF", Package Size=0805, Voltage Rating=16V
D1 D3 D4 D5 D6 D7: library part LED_Amber_0001, "CAP CER 0.1UF 100V X7R 0603", Color=Amber, Current Rating=20mA, Manufacturer="Wurth Electronik", Package Size=0603, Assembled?=no, Manufacturer Part Number=150060AS75000, Vf=2V
D2: library part DIO-69.4V-0001, "69.4V Clamp 8.7A Ipp Tvs Diode Surface Mount DO-214AA (SMBJ)", Breakdown Voltage=47.8V, Package="DO-214AA (SMBJ)", Peak pulser current=8.7A, Reverse working maximum voltage=43V, Channels=Bidirectional, Vclamp=69.4V
F1 F2 F3 F4 F5 F6: library part FUSE-ATM-0001, "Fuse Holder 30 A 500V 1 Circuit Blade Through Hole", Current=30A, Voltage Rating=500V, Manufacturer Part Number=3568
L1: library part PWRIND-8.2U-0002, "8.2 µH Shielded Molded Inductor 18 A 10.66mOhm Max Nonstandard", Inductance="8.2 uH", Tolerance=+/-20%, DCI=18A, DCR="10.66 mOhm", Isat=25A
L2: library part PWRIND-3.3U-0003, "3.3 µH Shielded Drum Core, Wirewound Inductor 6.8 A 15mOhm Max Nonstandard", Inductance="3.3 uH", Tolerance=30%, Assembled?=No, DCI="6.8 A", DCR="15 mOhm", Isat=6.5A
L3: library part PWRIND-1U-0001, "1 µH Semi-Shielded Drum Core, Wirewound Inductor 7.8 A 10mOhm Max Nonstandard", Inductance="1 uH", Tolerance=30%, Assembled?=No, DCI=7.8A, DCR="10 mOhm", Isat=11A
P1: "Header, 3-Pin", LatestRevisionDate=17-Jul-2002, LatestRevisionNote="Re-released for DXP Platform.", Publisher="Altium Limited"
Q1 Q3 Q4 Q5 Q18 Q19: library part NMOS-200MA-0001, "MOSFET N-CH 60V 200MA SOT23", Manufacturer=Toshiba, Package=SOT-23-3, Assembled?=no, FET type=N-Channel, Id-Continuous=200mA, Manufacturer Part Number=T2N7002AK,LM, Rds On-Max=3.9Ohm, VDS-Max=60V, Vgs-Max=20V
Q2: library part NMOS-60A-0001, "N-Channel 60 V 60A (Tc) 81W (Tc) Surface Mount 8-SOP Advance (5x5)", Drain Current=60A, Package=8-PowerVDFN, Vdss=60V, Vgs="2.5V @ 220uA", Vgs(Max)=20V
Q6 Q10 Q13 Q15 Q16 Q17: library part NMOS-26A-0001, "N-Channel 60 V 26A (Tc) 610mW (Ta), 61W (Tc) Surface Mount 8-TSON Advance (3.1x3.1)", Manufacturer=Toshiba, Package="8-TSON Advance", Assembled?=no, FET type=N-Channel, Id-Continuous=26A, Manufacturer Part Number=TPN11006PL,LQ, Rds On-Max=18.1mOhm, VDS-Max=60V, Vgs-Max=20V
Q7 Q8 Q9 Q11 Q12 Q14: library part NMOS-5.6A-0001, "N-Channel 30 V 5.6A (Ta) 1.2W (Ta) Surface Mount SOT-23", Drain Current=5.6A, Package Size=SOT23, Manufacturer Part Number=YJL3404A, Rds On="24 mOhm", Vdss=30V, Vgs(th)=2.2V
R1 R2 R8 R21 R55: library part RES-100-0002, "100 Ohms ±1% 0.1W, 1/10W Chip Resistor 0603 (1608 Metric) Automotive AEC-Q200 Thick Film", Manufacturer=YAGEO, Package Size=0603, Power Rating=1/10W, Resistance="100Ohm +/-1%", Assembled?=no, Manufacturer Part Number=AC0603FR-10100RL
R3 R11: library part RES-9.09K-0001, "9.09 kOhms ±1% 0.1W, 1/10W Chip Resistor 0603 (1608 Metric) Moisture Resistant Thick Film", Package Size=0603, Power="1/10 W", Resistance="9.09 kOhm", Tolerance=+/-1%, Assembled?=No
R4 R6 R16: library part RES-120-0001, "120 Ohms ±5% 0.5W, 1/2W Chip Resistor 0805 (2012 Metric) Automotive AEC-Q200, Pulse Withstanding Thick Film", Power="0.5 W", Resistance="120 Ohms +/-5%"
R5: library part RES-200K-0001, "200 kOhms ±1% 0.1W, 1/10W Chip Resistor 0603 (1608 Metric) Automotive AEC-Q200 Thick Film", Manufacturer="Panasonic Electronic Components", Package Size=0603, Power Rating="0.1 W", Resistance="200k +/- 1%", Assembled?=Yes, MFP=ERJ-3EKF2003V
R7 R9 R14: library part RES-100K-0003, "100 kOhms ±1% 0.1W, 1/10W Chip Resistor 0603 (1608 Metric) Moisture Resistant Thick Film", Package Size=0603, Power="1/10 W", Resistance="100 kOhm", Tolerance="+/- 1%", Assembled?=No
R10 R17 R20 R26 R59 R60 R61: library part RES-10K-0002, "RES SMD 10K OHM 1% 1/10W 0603", Manufacturer=YAGEO, Package Size=0603, Power Rating=1/10W, Resistance="10kOhm +/-1%", Assembled?=no, Manufacturer Part Number=RC0603FR-0710KP
R12: library part RES-2.15M-0001, "2.15 MOhms ±1% 0.1W, 1/10W Chip Resistor 0603 (1608 Metric) Moisture Resistant Thick Film", Package Size=0603, Power="1/10 W", Resistance="2.15 MOhm", Tolerance=+/-1%, Assembled?=No
R13: library part RES-76.8K-0001, "76.8 kOhms ±1% 0.1W, 1/10W Chip Resistor 0603 (1608 Metric) Moisture Resistant Thick Film", Manufacturer=Yageo, Package Size=0603, Power="1/10 W", Resistance="76.8 kOhm", Tolerance="+/- 1%"
R15: library part RES-220-003, "220 Ohms ±5% 0.1W, 1/10W Chip Resistor 0603 (1608 Metric) Automotive AEC-Q200, Moisture Resistant Thick Film", Package Size=0603, Power="1/10 W", Resistance="220 Ohm", Tolerance="+/- 5%"
R18 R23 R24: library part RES-3.3-0001, "3.3 Ohms ±1% 1W Chip Resistor 2512 (6432 Metric) Automotive AEC-Q200 Thick Film"
R19: library part RES-73.2K-0001, "73.2 kOhms ±1% 0.1W, 1/10W Chip Resistor 0603 (1608 Metric) Moisture Resistant Thick Film", Package Size=0603, Power="1/10 W", Resistance="73.2 kOhm", Tolerance=1%, Assembled?=No
R22: library part RES-4.7K-0002, "RES SMD 4.7K OHM 1% 1/10W 0603", Manufacturer=YAGEO, Package Size=0603, Power Rating=1/10W, Resistance="4.7kOhm +/-1%", Assembled?=no, Manufacturer Part Number=AF0603FR-074K7L
R25: library part RES-30.9K-0001, "30.9 kOhms ±1% 0.1W, 1/10W Chip Resistor 0603 (1608 Metric) Moisture Resistant Thick Film", Package Size=0603, Power="1/10 W", Resistance="30.9 kOhm", Tolerance=1%, Assembled?=No
R27 R28 R29: library part RES-4.7K-0001, "RES SMD 4.7K OHM 1% 1/16W 0402", Manufacturer=YAGEO, Package Size=0402, Power Rating=1/16W, Resistance="4.7kOhm +/-1%", Assembled?=no, Manufacturer Part Number=RC0402FR-074K7P
R30: library part RES-120-0002, "120 Ohms ±1% 0.5W, 1/2W Chip Resistor 1206 (3216 Metric) Thick Film", Package Size=1206, Power="0.5 W", Resistance="120 Ohm", Tolerance=1%
R31 R32 R33 R37 R38 R39 R43 R44 R46 R49 R51 R53 R56 R57 R58: library part RES-33-0003-JLC, "100mW Thick Film Resistors ±100ppm/℃ ±1% -55℃~+155℃ 33Ω 0402  Chip Resistor - Surface Mount ROHS", JLC part number=C278594, Power="1/10 W", Resistance="33 Ohm +/- 1%", Assembled?=yes
R34 R35 R36 R40 R41 R42 R45 R47 R48 R50 R52 R54 R68 R69 R70 R71 R72 R73: library part RES-10K-0003-JLC, "100mW Thick Film Resistors 100V ±5% ±200ppm/℃ -55℃~+155℃ 10kΩ 0402  Chip Resistor - Surface Mount ROHS", JLC part number=C278577, Power="1/10 W", Resistance="10K Ohm +/- 5%", Assembled?=yes
R62 R63 R64 R65 R66 R67: library part RES-4.7K-0001, "RES SMD 4.7K OHM 1% 1/16W 0402", Manufacturer=YAGEO, Package Size=0402, Power Rating=1/16W, Resistance=4.7k, Assembled?=no, Manufacturer Part Number=RC0402FR-074K7P
TP1 TP2 TP3 TP4 TP5 TP6 TP7 TP8: library part TEST-POINT-0001, "Oranange PC Test Point, Miniature Phoisphor Bronze Silver Plating Through Hole Mounting Type"
U1: library part IC-BUCK-0006, "Buck Switching Regulator IC Positive Adjustable 1V 1 Output 5A 30-WFQFN Exposed Pad", Current=5A, Manufacturer="Texas Instruments", Package=30-WFQFN, Assembled?=no, Manufacturer Part Number=LM76005RNPR, Type=Buck
U2: library part IC-BUCK-0008, "Buck Switching Regulator IC Positive Adjustable 0.6V 1 Output 3A SOT-583", Current=3A, Manufacturer="Texaas Instruments", Package Size=SOT-583, Assembled?=no, Manufacturer Part Number=TPS563212DRLR, Type=Buck
U3: library part IC-BUCK-0010, "Buck Switching Regulator IC Positive Adjustable 0.8V 1 Output 3A SOT-583", Current=3A, Manufacturer="Texas Instruments", Assembled?=no, Manufacturer Part Number=TPS62933ODRLR, Type=Buck
U4: library part IC-CAN-TRANSCEIVER-0002, "1/1 Transceiver CANbus 8-VSON (3x3)", Manufacturer="Texas Instrument", CAN Capability=FD-CAN, Manufacturer Part Number=TCAN1042HGDRBTQ1
U5: library part IC-STM32G431CBU6, "128KB 1.71V~3.6V ARM-MSeries 32KB 170MHz FLASH 42 UFQFPN-48(7x7) Microcontroller Units (MCUs/MPUs/SOCs) ROHS", Package=UFQFPN-48, Assembled?=no, Manufacturer Part Number=STM32G431CBU6
U6: library part IC-MUX-0003, "Multiplexer Switch ICs I2C SWITCH 4CH", Mfr_Name="Texas Instruments", Copyright="Copyright (C) 2023 Ultra Librarian. All rights reserved.", Manufacturer_Part_Number=TCA9546APWR, RefDes=RefDes, Type=DEV
U7: library part IC-LDO-3.3V-0002, "Linear Voltage Regulator IC Positive Fixed 1 Output 500mA SOT-223-4", Current="500 mA", Package=SOT-223-4, Vin=25V, Vout=3.3V
X1 X2 X3 X6 X8: library part "Micro-Fit Molex 4 Pin 2 Row Vertical", Package=43045-0412, DeviceName=43045-0412, DeviceSetName=HEADER_POS4_?, GateName_1=G$1, LibraryName=con-molex-micro-fit-3_0_2, SymbolName_1=HEADER_POS4
X4 X5 X7: library part HEADER_POS12_?43045-1212, Package=43045-1212, DeviceName=43045-1212, DeviceSetName=HEADER_POS12_?, GateName_1=G$1, LibraryName=con-molex-micro-fit-3_0_2, SymbolName_1=HEADER_POS12
X9: library part "Micro-Fit Molex 2 Pin Vertical", Package=43650-0215, DeviceName=43650-0215, DeviceSetName=HEADER_POS2_?, GateName_1=G$1, LibraryName=con-molex-micro-fit-3_0_2, SymbolName_1=HEADER_POS2

## Free pads (board coordinates)
  round 250 hole 150: ""(170,160) ""(1785,2835) ""(4595,2825) ""(5215,770)

## Via types
v1: diameter 16, hole 8, Top Layer to Bottom Layer, 734 vias
v2: diameter 11.81, hole 7.87, Top Layer to Bottom Layer, 14 vias
v3: diameter 30, hole 15, Top Layer to Bottom Layer, 4 vias
v4: diameter 60, hole 30, Top Layer to Bottom Layer, 1 vias

## Nets (pads, with @x,y where several pads share a name; then routed paths per layer and width w, separated by ;. In a path a pad name is that pad's centre, name@x,y a point inside that pad or via, vN(x,y) a via of type N, cw(c..) or ccw(c..) an arc to the next point about the centre after c; other vN are vias at no path point)
3V3_BUCK_MAIN: C51.1 C52.1 C53.1 C54.1 C55.1 C56.1 C57.1 C58.1 L3.2 R21.2 R22.2 R25.1 TP7.1 U6.16 X4.P$10 X5.P$10 X7.P$10 | length 4973.5
  Top Layer w10: R22.2@2265,1166.5 R21.2@2320,1166.5 2343.03,1166.5 2429.76,1079.76 2442.55,1079.76 2481.18,1079.76 L3.2@2540,1079.76 2445,984.76 TP7.1@2445,920 ; R25.1@2995,1223.5 C51.1@2935,1223.5 2935,1222.52 2951.65,1205.87 2952.64,1205.87 3006.05,1152.45 ; U6.16@4121.8,430.43 4126.72,430.43 4130,427.15 v1(4130,400)
  Top Layer w25: v3(3095,245) 3095,882.6 3245.65,1033.25 3336,1033.25 3355,1052.24 C52.1@3355,1052.4
  Bottom Layer w10: X7.P$10@3704.34,134.92 3704.34,144.34 3765,205 3965,205 4128.85,368.85 4128.85,398.85 v1(4130,400)
  Bottom Layer w25: X5.P$10@2539.34,134.92 2618.77,55.49 3025.49,55.49 3095,125 ; 3095,120 3095,135 ; v3(3095,245) 3095,135 ; X7.P$10@3704.34,134.92 3704.34,44.64 3689.7,30 ; X4.P$10@4893.78,134.92 4788.86,30 3689.7,30 ; 3095,135 3200,30 3689.7,30
5V: C41.1 C42.1 C43.1 C44.1 C45.1 C46.1 C47.1 C48.1 C59.1 C60.1 C69.1 L2.2 R15.1 R17.2 R19.1 TP4.1 U4.3 U7.1 X4.P$7 X5.P$7 X7.P$7 | length 6618.4
  Top Layer w10: C41.1@3820,2356.5 R19.1@3880,2356.5 4021.5,2356.5 4025,2360 ; 4240,2455 4245,2460 TP4.1@4355,2460 ; U7.1@4580.55,1263.11 U7.1@4593.66,1250 ; C59.1@5055,1507.52 5070,1492.52 5070,1470 5078.85,1461.15 5088.85,1461.15 v1(5090,1460) ; v1(5155,1460) 5172.8,1477.8 U4.3@5172.8,1514.88
  Top Layer w25: X5.P$7@2185,134.92 2276.46,43.46 3063.46,43.46 3145,125 ; X7.P$7@3350,134.92 3284.92,200 3145,200 ; L2.2@4123.86,1718.7 4003.7,1718.7 3460,1175 3460,900 3425,865 3215,865 3145,795 3145,200 ; X4.P$7@4527.65,117.65 4440.01,30.01 3239.99,30.01 3214.51,55.49 3214.32,55.49 3189.47,80.34 3189.47,80.53 3145,125 ; 4571.63,1498.37 4995.85,1498.37 4995.85,1500.2 5004.15,1508.5 C59.1@5055,1508.5 ; 3145,125 3145,200
  Top Layer w50: L2.2@4217.32,1715 4275,1715 4340,1715 4355,1715 4580.55,1489.45 4580.55,1350 U7.1@4580.55,1263.11
  Bottom Layer w10: v1@5095,1460 v1(5155,1460)
12V_5A_BOOT: C19.2 U1.6 | length 129.5
  Top Layer w10: C19.2@3149.65,2055 3165,2070.35 U1.6@3165,2178.15
12V_5A_FB: C20.2 R9.2 R11.1 U1.12 | length 593.4
  Top Layer w10: v1(3060,1955) 3060,1926.5 R9.2@3075,1911.5 3077.01,1913.5 R11.1@3135,1913.5 R11.1@3151.65,1896.85 ; U1.12@3279.17,2220.47 3279.25,2220.39 3309.61,2220.39 v1(3310,2220) C20.2@3360,2220
  Bottom Layer w10: v1(3060,1955) 3060,1986.65 3292.2,2218.85 3308.85,2218.85 v1(3310,2220)
12V_5A_MAIN: C1.1 C2.1 C3.1 C4.2 C5.1 C6.1 C7.1 C8.2 C9.1 C11.1 C12.1 C13.1 C14.1 C15.1 C16.1 C17.1 C18.1 C20.1 C33.1 C34.1 C35.1 C36.1 C37.1 C38.1 C39.1 L1.2 R9.1 TP1.1 U2.2 U3.3 X4.P$8 X5.P$8 X7.P$8 | length 4895.8
  Top Layer w10: TP1.1@2095,2175 2257.52,2175 2309.11,2226.59 L1.2@2309.11,2320 ; C20.1@3416.5,2220 3515,2220
  Top Layer w25: v3(2260,1750) 2340,1830 2345,1830
  Mid Layer 2 w25: v3(2110,805) 2110,225 2140,195 2235,195 ; X5.P$8@2300.61,129.39 2235,195 ; X7.P$8@3490.43,134.57 3430,195 ; X4.P$8@4657.55,134.92 4597.47,195 3430,195 ; 2235,195 3430,195
  Bottom Layer w25: v3(2110,805) 2260,955 v3(2260,1750)
12V_5A_OUT: C30.1 U1.9 | length 68.5
  Top Layer w10: U1.9@3224.06,2178.15 3224.06,2110.94 C30.1@3225,2110
12V_5A_PG: Q3.1 R10.1 U1.16 U2.6 U3.2 | length 2091
  Top Layer w10: U3.2@2865.32,1337.56 2865.32,1356.88 2883.43,1375 v1(2955,1375) ; v1(3295,2355) 3293.85,2353.85 3285.74,2353.85 3263.43,2331.54 U1.16@3263.43,2321.85 3315.67,2321.85 3352.52,2285 R10.1@3353.5,2285 3354.49,2285 3389.49,2320 3443.94,2320 3512.6,2388.66 Q3.1@3512.6,2390.63 3513.85,2391.88 3513.85,2423.85 v1(3515,2425) ; U2.6@3807.56,2205.63 v1(3844.37,2205.63) v1@3845,2205
  Mid Layer 1 w10: v1(2955,1375) 3160,1580 3160,2096.65 3295,2231.65 v1(3295,2355)
  Bottom Layer w10: v1(3515,2425) 3625,2425 v1(3844.37,2205.63)
12V_5A_SW: C19.1 L1.1 TP3.1 U1.1 U1.2 U1.3 U1.4 U1.5 | length 420.7
  Top Layer w10: TP3.1@2885,2730 2885,2345.89 L1.1@2910.89,2320
12V_5A_VCC: C21.1 R8.1 R10.2 U1.8 | length 886.2
  Top Layer w10: U1.8@3204.37,2178.15 3204.37,2146.39 3190,2132.02 3190,1990 C21.1@3200,1980 3200,1979.02 3216.65,1962.36 3261.14,1962.36 3275.87,1947.64 3275.87,1946.65 3292.52,1930 R8.1@3293.5,1930 3295,1928.5 v1(3295,1890) ; R10.2@3416.5,2285 3416.83,2284.67 v1@3465,2284.67
  Bottom Layer w10: v1(3295,1890) 3285,1900 3285,2035 3465,2215 v1@3465,2284.67
  other v1: 3465,2285
BST_3V3_BUCK: C50.1 U3.6 | length 131.6
  Top Layer w10: C50.1@2770,1233.5 2783.5,1220 2825,1220 2845.63,1240.63 U3.6@2845.63,1282.44
BST_5V_BUCK: C40.1 U2.5 | length 95.5
  Top Layer w10: C40.1@3796.5,2095 3807.56,2106.06 U2.5@3807.56,2185.94
CAN_N: R30.1 U4.6 X1.P$4 X2.P$4 | length 1287.7
  Top Layer w3.45: 5166.59,1708.31 5164.57,1706.29 5164.57,1662.66 5164.22,1662.31 5164.22,1636.99 5166.77,1634.45 5168.71,1634.45 5172.8,1630.36 U4.6@5172.8,1625.12 ; R30.1@5210.2,1710 5165.89,1710 5163.87,1712.02 5163.87,1882.58 5165.17,1883.87 5165.17,2052.98 5167.19,2055 ; X2.P$4@5220,2055 5167.19,2055 ; X1.P$4@5220,2755 5167.19,2755 5165.17,2752.98 5165.17,2057.02 5167.19,2055
CAN_P: R30.2 U4.7 X1.P$2 X2.P$2 | length 1287.7
  Top Layer w3.45: X2.P$2@5101.89,2055 5154.7,2055 ; X1.P$2@5101.89,2755 5154.7,2755 5156.72,2752.98 5156.72,2057.02 5154.7,2055 ; R30.2@5109.8,1708.31 5154.11,1708.31 5156.13,1706.29 5156.13,1666.16 5155.78,1665.81 5155.78,1636.99 5153.23,1634.45 5151.29,1634.45 5147.2,1630.36 U4.7@5147.2,1625.12 ; 5153.41,1710 5155.43,1712.02 5155.43,1886.08 5156.72,1887.37 5156.72,2052.98 5154.7,2055
CAN_STB: R29.2 U4.8 U5.38 | length 1884.4
  Top Layer w10: U5.38@3861.42,931.93 3861.42,873.58 v1(3881.13,853.87) ; v1(4320,855) 4335,870 4335,1050 4470,1185 v1(4580,1185) ; v1(5080,1655) 5079.69,1654.68 5079.69,1625.32 R29.2@5079.37,1625 5115.25,1625
  Mid Layer 2 w10: v1(3881.13,853.87) 3943.84,791.16 4256.16,791.16 v1(4320,855)
  Bottom Layer w10: v1(4580,1185) 4780,1385 4780,1460 4975,1655 v1(5080,1655)
DEBUG_LED_0: R56.1 U5.2 | length 604.2
  Top Layer w10: U5.2@4082.87,976.22 4083.48,975.61 4184.39,975.61 v1(4185,975) ; v1(4435,965) 4436.15,966.15 4676.46,966.15 R56.1@4680.31,970
  Bottom Layer w10: v1(4185,975) 4423.38,975 4433.38,965 v1(4435,965)
DEBUG_LED_1: R57.1 U5.3 | length 847.9
  Top Layer w10: U5.3@4082.87,995.91 4083.78,995 v1(4210,995) ; v1(4500,935) 4850.89,935 4873.5,957.61 4873.5,975.16 R57.1@4877.13,978.78
  Bottom Layer w10: v1(4210,995) 4440,995 v1(4500,935)
DEBUG_LED_2: R58.1 U5.4 | length 1015.1
  Top Layer w10: U5.4@4082.87,1015.59 4179.41,1015.59 v1(4180,1015) ; v1(4555,915) 4953.65,915 4970.31,915 5021.54,966.22 5023.5,966.22 5030.31,973.03 R58.1@5030.31,975
  Bottom Layer w10: v1(4180,1015) 4455,1015 v1(4555,915)